# Altium PCB RP2350B.PcbDoc
Units mm, origin at the board's own origin, x right, y up, seen from the top; angles counter-clockwise.
Board outline 125 x 65 mm, 6 copper layers (Top, Ground Plane (GND), Inner1, Inner2, PWR, Bottom), stack 1.691 mm thick; 57 components, 78 nets, 281 pads, 123 vias.
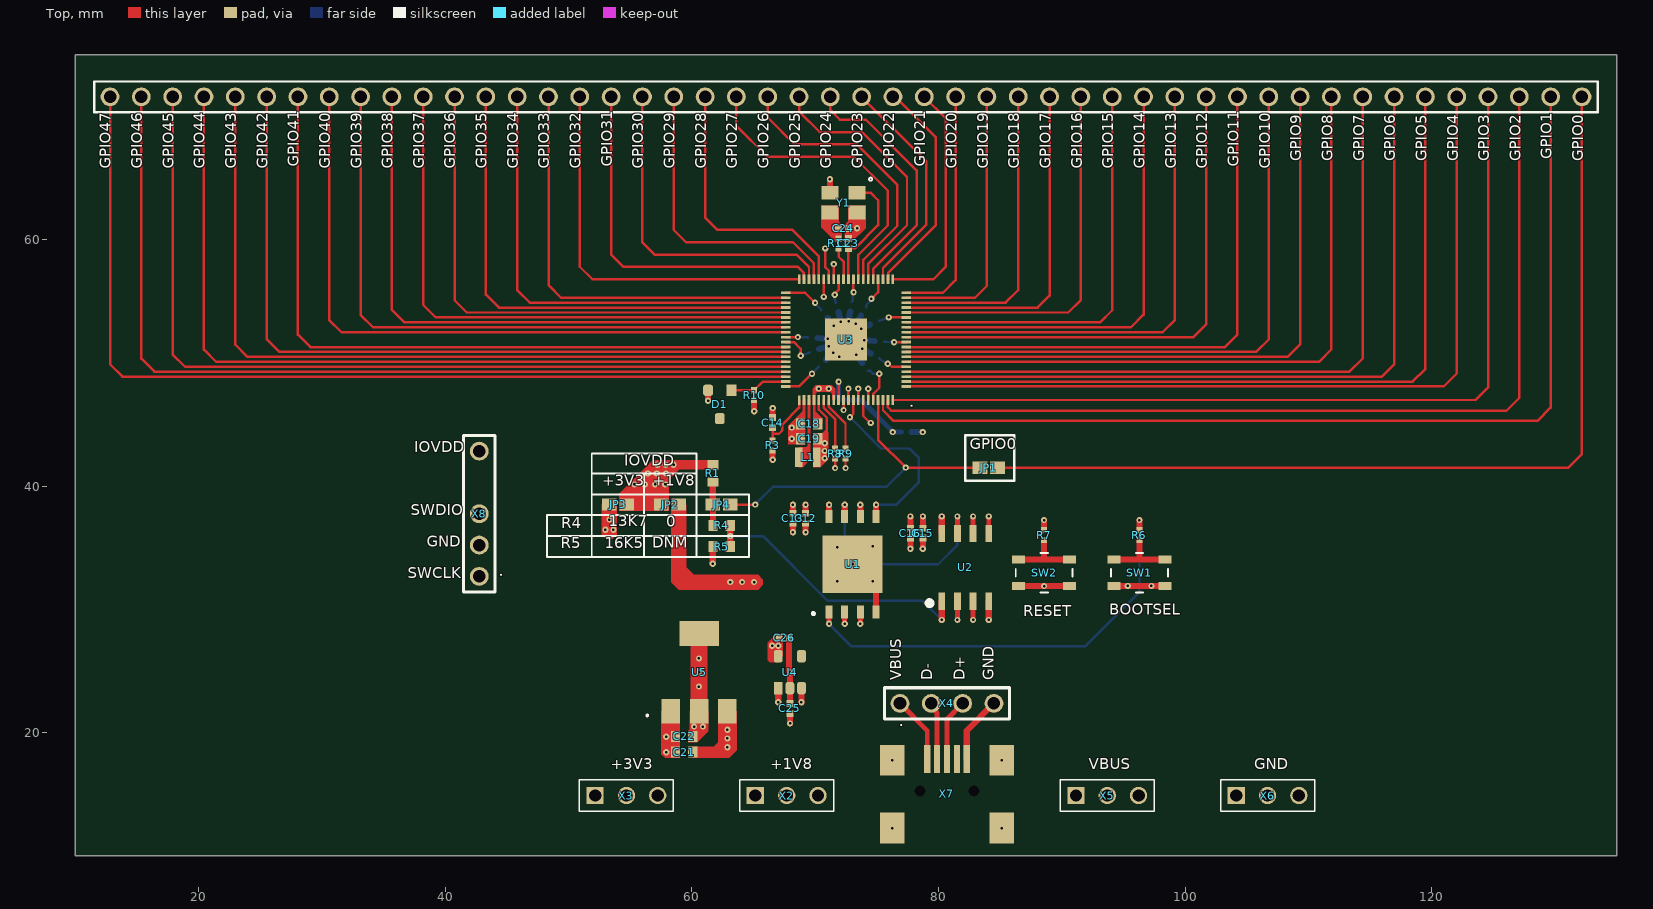
[diagram p0: Top view]
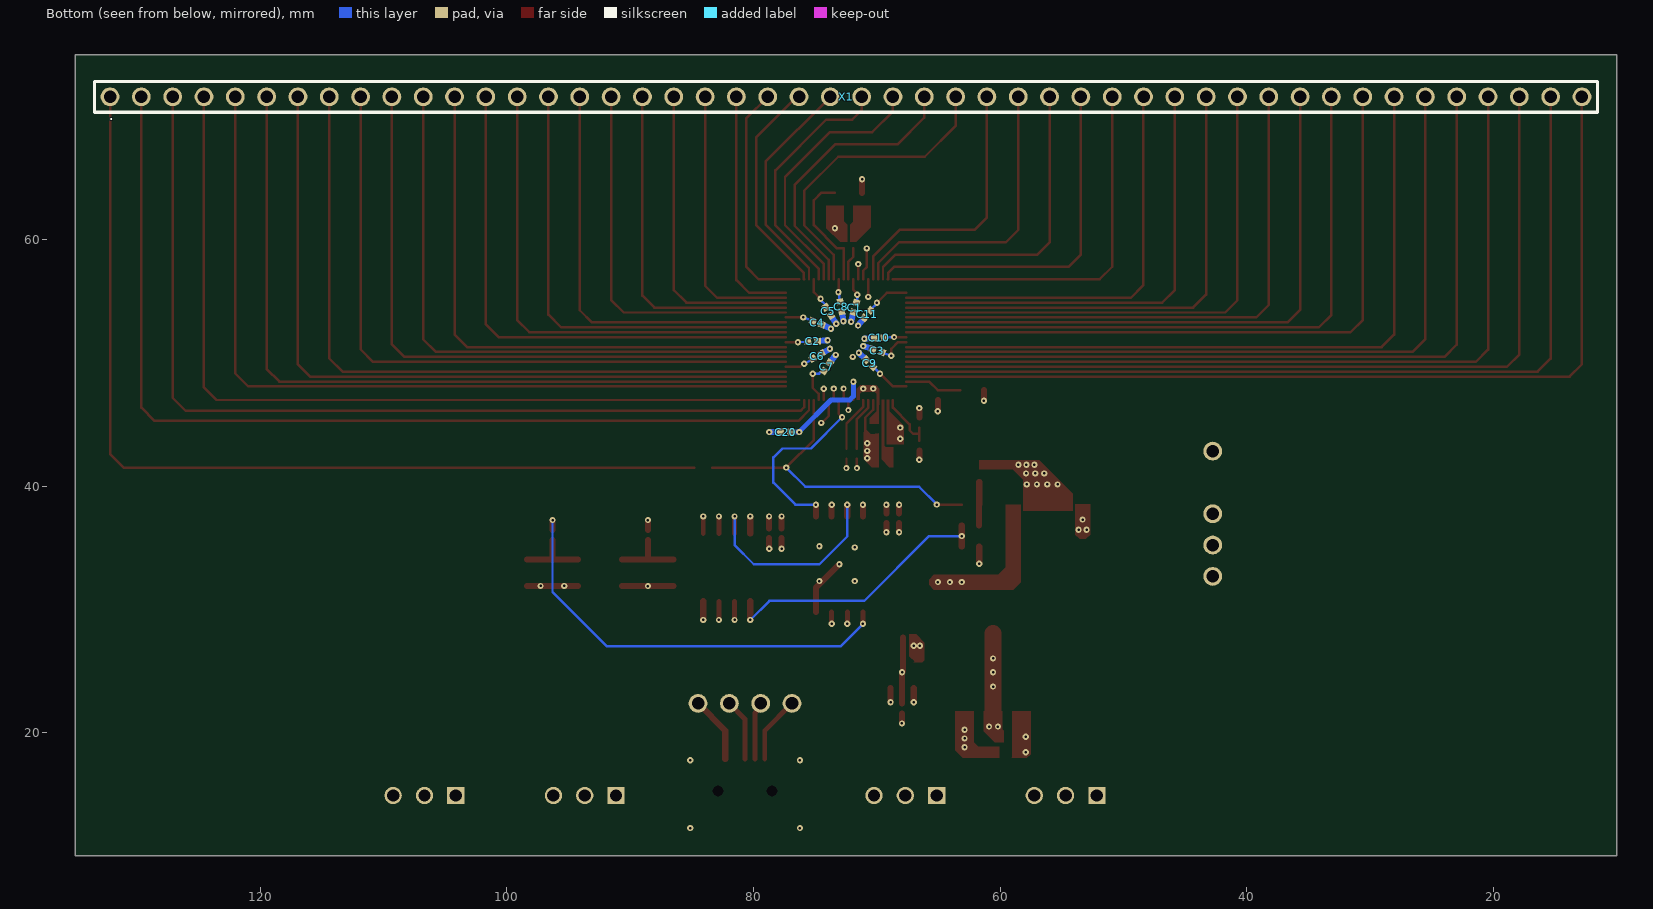
[diagram p1: Bottom view, seen from below]
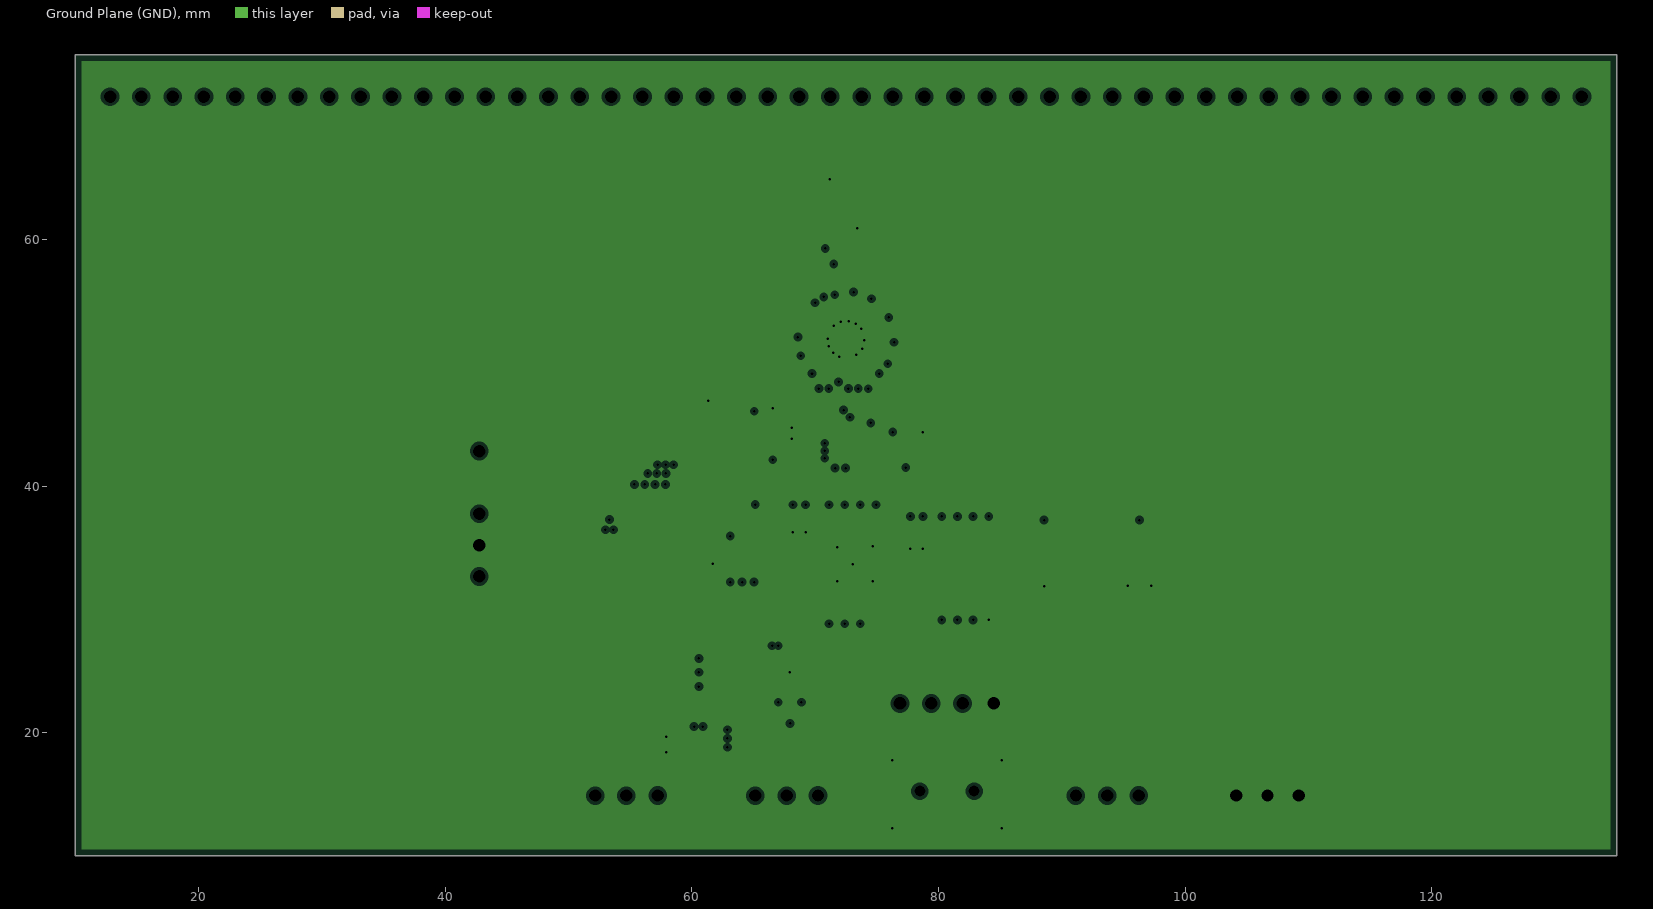
[diagram p2: Ground Plane (GND), clearances drawn from the general rule]
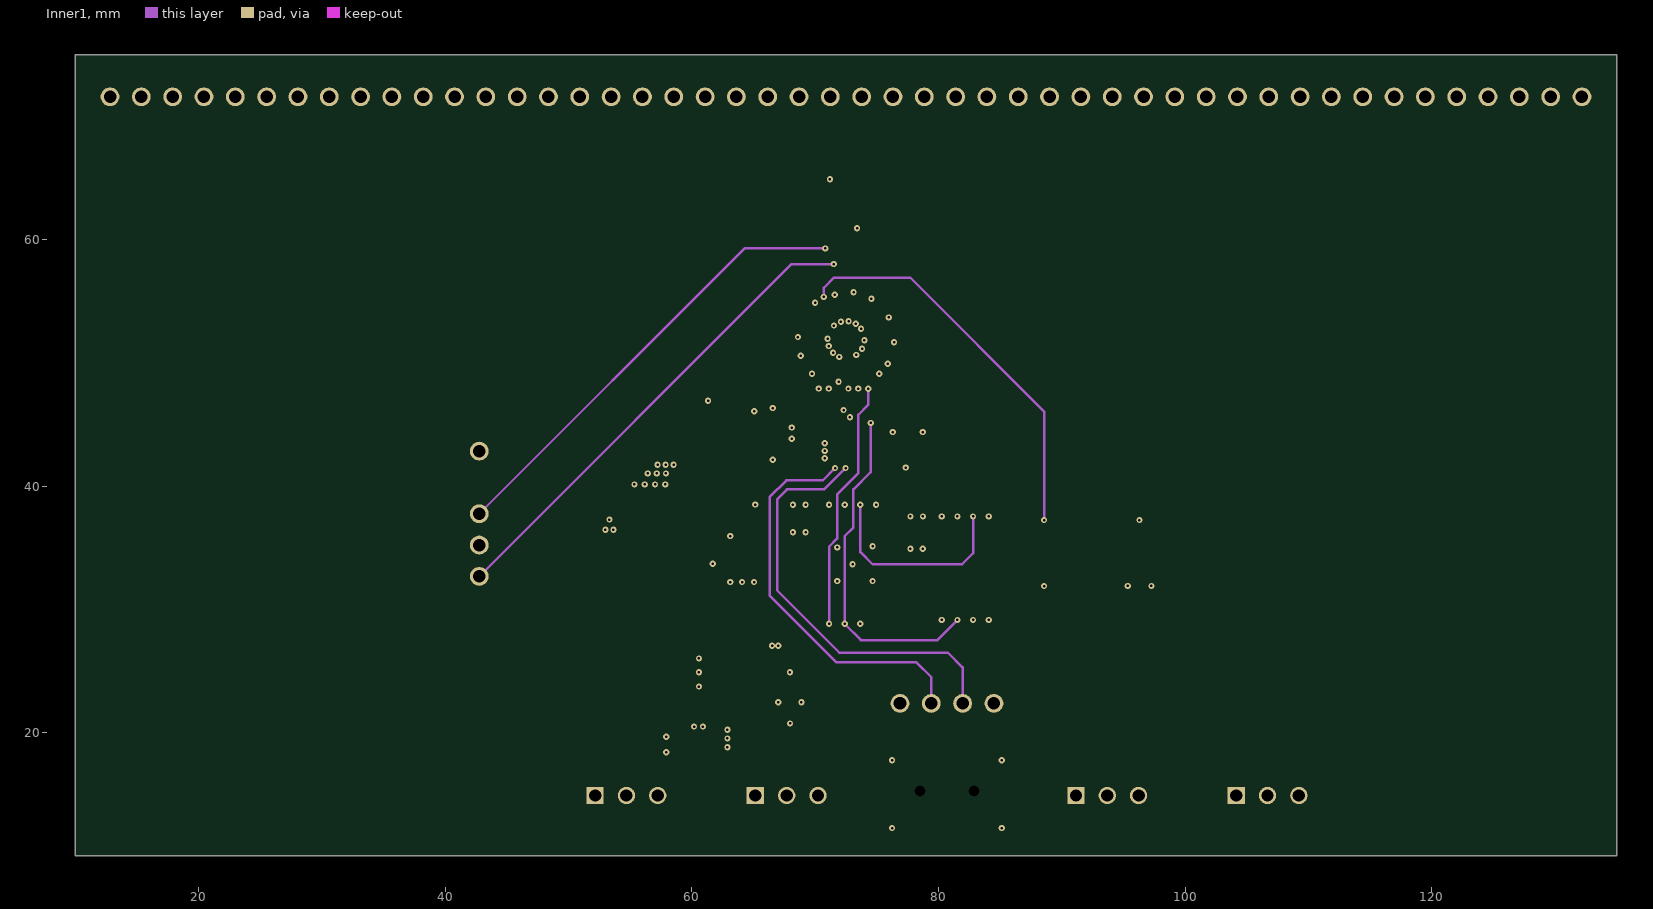
[diagram p3: Inner1]
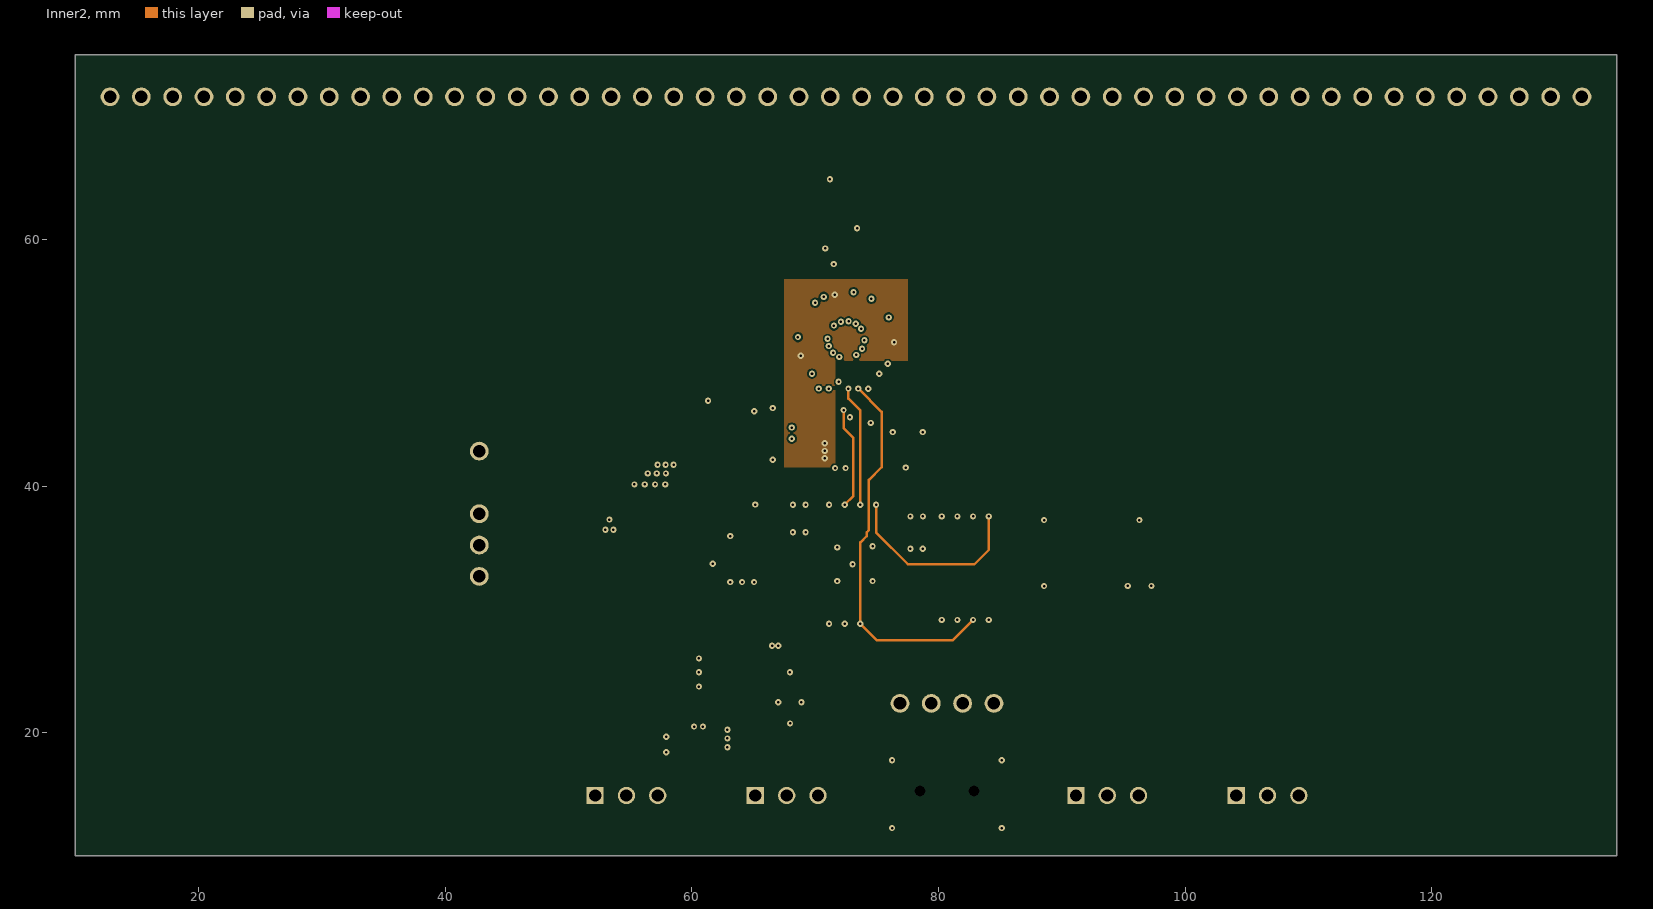
[diagram p4: Inner2]
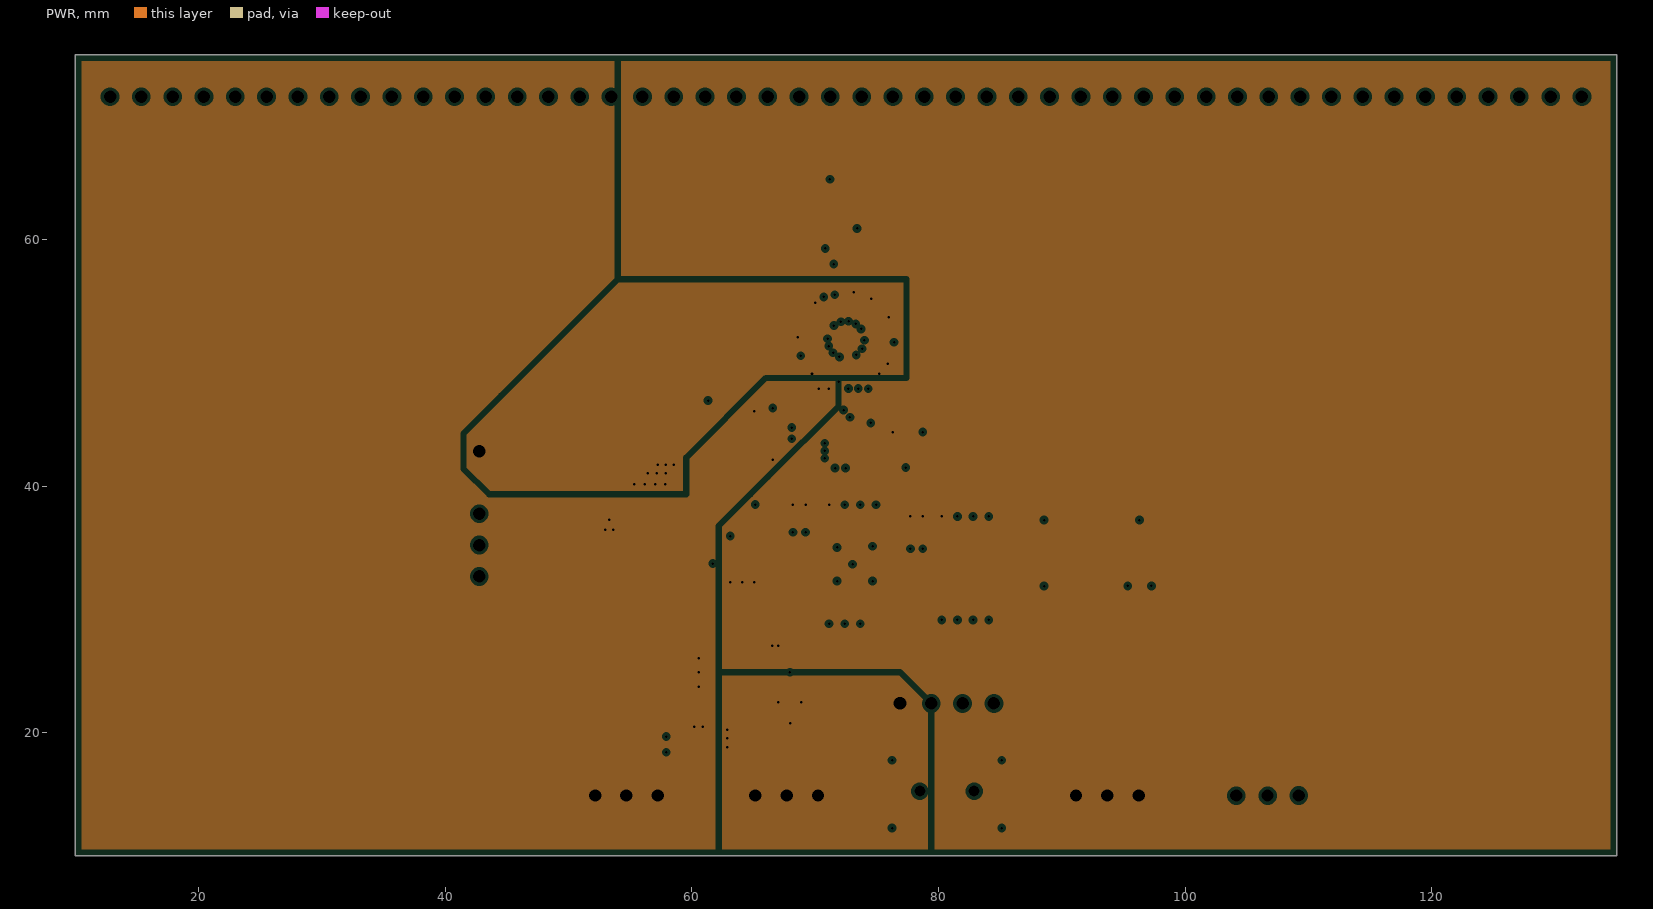
[diagram p5: PWR, clearances drawn from the general rule]
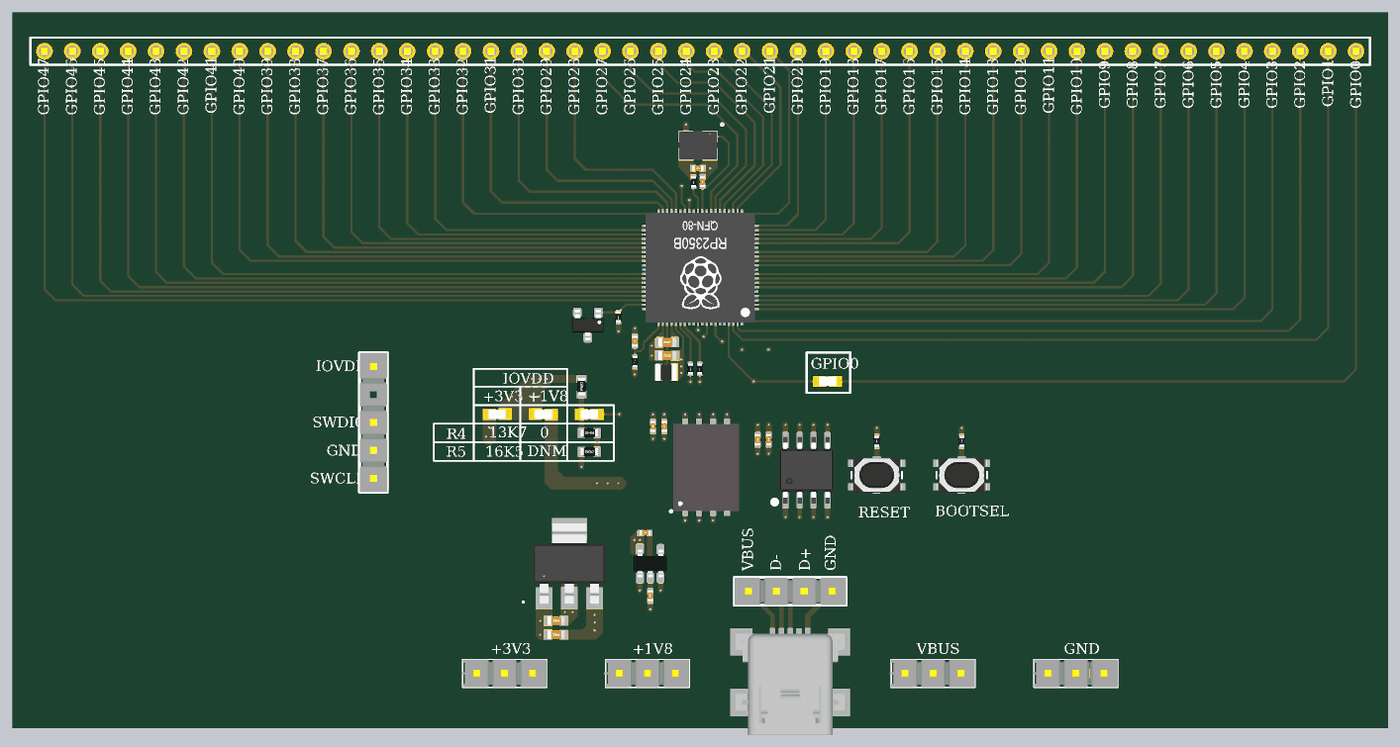
[diagram p6: 3D render of the assembled board from above, using the file's embedded part models]
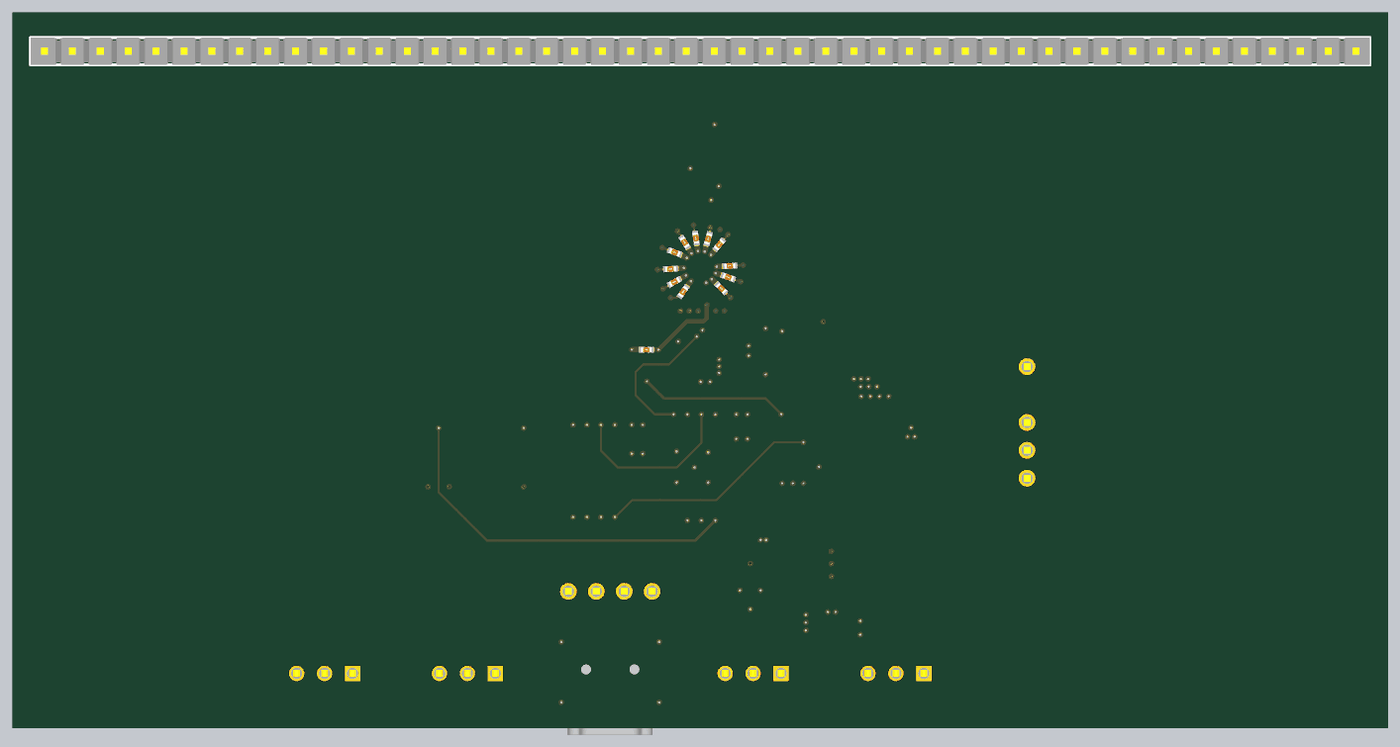
[diagram p7: 3D render of the assembled board from below, using the file's embedded part models]

## Layer stack, top to bottom
Top Solder: solder mask 0.0102, Solder Resist, Dk 3.5
Top: signal copper 0.0356
Dielectric 1: prepreg 0.228, 2x2116, Dk 4
Ground Plane (GND): plane copper 0.036, net P15V0
Dielectric 2: core 0.36, 2x7628, Dk 4
Inner1: signal copper 0.036
Dielectric 3: prepreg 0.3, 1x7628 + 1x2116, Dk 4
Inner2: signal copper 0.036
Dielectric 4: core 0.36, 2x7628, Dk 4
PWR: plane copper 0.036, net +1V8
Dielectric 5: prepreg 0.228, 2x2116, Dk 4
Bottom: signal copper 0.0356
Bottom Solder: solder mask 0.0102, Solder Resist, Dk 3.5

## Board outline
10,10 10,75 135,75 135,10

## Design rules (kind name [scope] priority, off if disabled: settings)
Clearance [All] p1: gap=0.15 ignorepadtopadclearanceinfootprint=TRUE
DiffPairsRouting [All] p1: maxlimit=10 minlimit=0.125 mostfreqgap=0.15 toplayer_minwidth=0.381 toplayer_maxwidth=0.381 toplayer_prefwidth=0.381 midlayer1_minwidth=0.381 midlayer1_maxwidth=0.381 midlayer1_prefwidth=0.381 midlayer3_minwidth=0.381 midlayer3_maxwidth=0.381 midlayer3_prefwidth=0.381 bottomlayer_minwidth=0.381 bottomlayer_maxwidth=0.381 bottomlayer_prefwidth=0.381 maxuncoupledlength=12.7
FabricationTestPointUsage FabricationTestPointUsage_1 [All] p1: valid=0 allowmultiple=FALSE
FabricationTestpoint FabricationTestpoint_1 [All] p1: side=3 testpointundercomponent=TRUE minsize=1.016 maxsize=2.54 preferedsize=1.524 minholesize=0 maxholesize=1.016 preferedholesize=0.813 testpointgrid=0.025 allowsidetop=TRUE allowsidebottom=TRUE usegrid=TRUE gridtolerance=0
HoleSize [All] p1: absolutevalues=TRUE maxlimit=6 minlimit=0.1 maxpercent=80.000 minpercent=20.000
HoleSize FabricationTestpoint [All] p2 off: absolutevalues=TRUE maxlimit=2.54 minlimit=0.025 maxpercent=80.000 minpercent=20.000
HoleSize FabricationTestPointUsage [All] p3 off: absolutevalues=TRUE maxlimit=2.54 minlimit=0.025 maxpercent=80.000 minpercent=20.000
MinimumSolderMaskSliver [All] p1: minsoldermaskwidth=0.07
MinimumSolderMaskSliver SilkscreenOverComponentPads [All] p2: minsoldermaskwidth=0.254
PlaneClearance [All] p1: clearance=0.254
PlaneConnect [All] p1: planeconnectstyle=Direct reliefexpansion=0.4 reliefentries=4 reliefconductorwidth=0.15 reliefairgap=0.15
PolygonConnect [All] p1: connectstyle=Direct reliefconductorwidth=0.15 reliefentries=4 polygonreliefangle="90 Angle" airgapwidth=0.254
RoutingCorners [All] p1: cornerstyle=45-Degree minsetback=1.25 maxsetback=1.25
RoutingVias [All] p1: holewidth=0.3 width=0.6 viastyle="Through Hole" minholewidth=0.2 minwidth=0.45 maxholewidth=0.45 maxwidth=0.75
SilkToSilkClearance [All] p1: silktosilkclearance=0.15
SilkToSolderMaskClearance [IsPad] p1: minsilkscreentomaskgap=0.12 clearancetoexposedcopper=TRUE
SolderMaskExpansion [All] p1: expansion=0.03 istentingtop=FALSE
Width [All] p1: maxlimit=10 minlimit=0.1 preferedwidth=0.15 toplayer_prefwidth=0.125 midlayer1_minwidth=0.125 midlayer3_minwidth=0.125 bottomlayer_prefwidth=0.125 minimp=50.000000 maximp=50.000000 favimp=50.000000
20 further rules are at their usual default settings.

## Components (designator, comment, footprint, x,y, rotation, side; value= is the part's Value field where it differs from the comment)
C1 "C0402C104J8RACTU" CAPC0402 71.778,54.479 r105.5 bottom value=100n
C2 "CL05A475KP5NRNC" CAPC0402 75.196,51.736 r357 bottom value=4u7
C3 "C0402C104J8RACTU" CAPC0402 69.955,50.976 r199.5 bottom value=100n
C4 "C0402C104J8RACTU" CAPC0402 74.826,53.248 r20.83 bottom value=100n
C5 "C0402C104J8RACTU" CAPC0402 73.931,54.167 r57.77 bottom value=100n
C6 "C0402C104J8RACTU" CAPC0402 74.85,50.548 r330.5 bottom value=100n
C7 "C0402C104J8RACTU" CAPC0402 74.049,49.666 r305 bottom value=100n
C8 "C0402C104J8RACTU" CAPC0402 72.899,54.548 r81.5 bottom value=100n
C9 "C0402C104J8RACTU" CAPC0402 70.591,49.968 r225 bottom value=100n
C10 "C0402C104J8RACTU" CAPC0402 69.804,52.019 r177 bottom value=100n
C11 "C0402C104J8RACTU" CAPC0402 70.764,53.946 r130 bottom value=100n
C12 "CL05A105KP5NNNC" CAPC0402 69.22,37.39 r270 top value=1u
C13 "C0402C104J8RACTU" CAPC0402 68.2,37.39 r90 top value=100n
C14 "CL05A475KP5NRNC" CAPC0402 66.55,45.151 r270 top value=4u7
C15 "CL05A105KP5NNNC" CAPC0402 78.74,36.18 r270 top value=1u
C16 "C0402C104J8RACTU" CAPC0402 77.73,36.18 r90 top value=100n
C18 "6V3" CAPC0603 69.5,45.05 r0 top value=4u7
C19 "6V3" CAPC0603 69.5,43.84 r0 top value=4u7
C20 "C0402C104J8RACTU" CAPC0402 77.406,44.38 r180 bottom value=100n
C21 "0603" CAPC0603 59.379,18.419 r0 top value=10u
C22 "0603" CAPC0603 59.379,19.689 r0 top value=10u
C23 "GJM1555C1H3R0BB01D" CAPC0402 72.7,59.675 r270 top value=15pF
C24 "GJM1555C1H3R0BB01D" CAPC0402 72.29,60.9 r180 top value=15pF
C25 "CL05A105KP5NNNC" CAPC0402 67.95,21.964 r90 top value=1u
C26 "CL05A105KP5NNNC" CAPC0402 67.49,27.7 r0 top value=1u
D1 "LM4040D30FTA" SOT23-3 62.263,46.62 r0 top value=3V
JP1 "5110 Keystone" JumperSMD_0603 84.079,41.497 r0 top value=0R
JP2 "5110 Keystone" JumperSMD_0603 58.23,38.5 r180 top value=0R
JP3 "5110 Keystone" JumperSMD_0603 54.01,38.51 r0 top value=0R
JP4 "5110 Keystone" JumperSMD_0603 62.406,38.5 r0 top value=0R
L1 "IND_3u3_2X1.6mm_1.4A_20%" IND_0806 69.4,42.33 r180 top value=3u3
R1 "0603" RESC0603 61.701,41.02 r90 top value=10K
R3 "RC0402FR-0733RL" RESC0402 66.55,43.294 r90 top value=33R
R4 "0603" RESC0603 62.406,36.803 r180 top value=13K7
R5 "0603" RESC0603 62.406,35.09 r0 top value=16K5
R6 "RC0402FR-071KL" RESC0402 96.303,36.028 r90 top value=1K
R7 "RC0402FR-071KL" RESC0402 88.567,36.028 r90 top value=1K
R8 "CRCW040214K3FKED" RESC0402 71.61,42.63 r90 top value=27
R9 "CRCW040214K3FKED" RESC0402 72.46,42.63 r90 top value=27
R10 "301R_0402_63mW_1%_100ppm" RESC0402 65.05,47.37 r270 top value=301
R11 "RC0402FR-071KL" RESC0402 71.9,59.675 r270 top value=1K
SW1 "434133025816" 434133025816 96.303,32.965 r180 top
SW2 "434133025816" 434133025816 88.567,32.965 r180 top
U1 "IS25WP128-JLLE" WSON8-6x8 73.03,33.659 r90 top value="16M x 8 FLASH @ 133MHz"
U2 "APS6404L-SQN-SN" "SOP-8L (150)" 82.174,33.405 r90 top value="8M x 8 PSRAM @ 144MHz"
U3 "RP2350B" QFN-80 72.5,51.877 r180 top
U4 "AP2127K-1.8TRG1" SOT23-5 67.95,24.904 r0 top
U5 "NCP1117LPST33T3G" SOT-232-4 60.584,24.896 r0 top
X1 "HMTSW-148-07-G-S-240" HDR_TH_1X48_M_00 72.5,71.567 r180 bottom
X2 "825433-3" HDR_TH_1X3_M_00 67.69,14.9 r0 top value=HDR_TH_1X3_M_00
X3 "825433-3" HDR_TH_1X3_M_00 54.69,14.9 r0 top value=HDR_TH_1X3_M_00
X4 "HMTSW-104-07-G-S-240" HDR_TH_1X4_M_00 80.69,22.371 r0 top value=HDR_TH_1X4_M_00
X5 "825433-3" HDR_TH_1X3_M_00 93.69,14.9 r0 top value=HDR_TH_1X3_M_00
X6 "825433-3" HDR_TH_1X3_M_00 106.69,14.9 r0 top value=HDR_TH_1X3_M_00
X7 "1734327-1" 1734327-1 80.69,14.26 r90 top
X8 "HMTSW-106-07-G-S-240" HDR_TH_1X3+0+1_M_00 42.757,37.755 r90 top value=HDR_TH_1X3+1_M_00
Y1 "ABM8-272-T3" ABM8 72.3,62.988 r270 top value=12MHz
